# KiCad board Panel_R0.5.1_300x300_2layer_step1.kicad_pcb (continued)
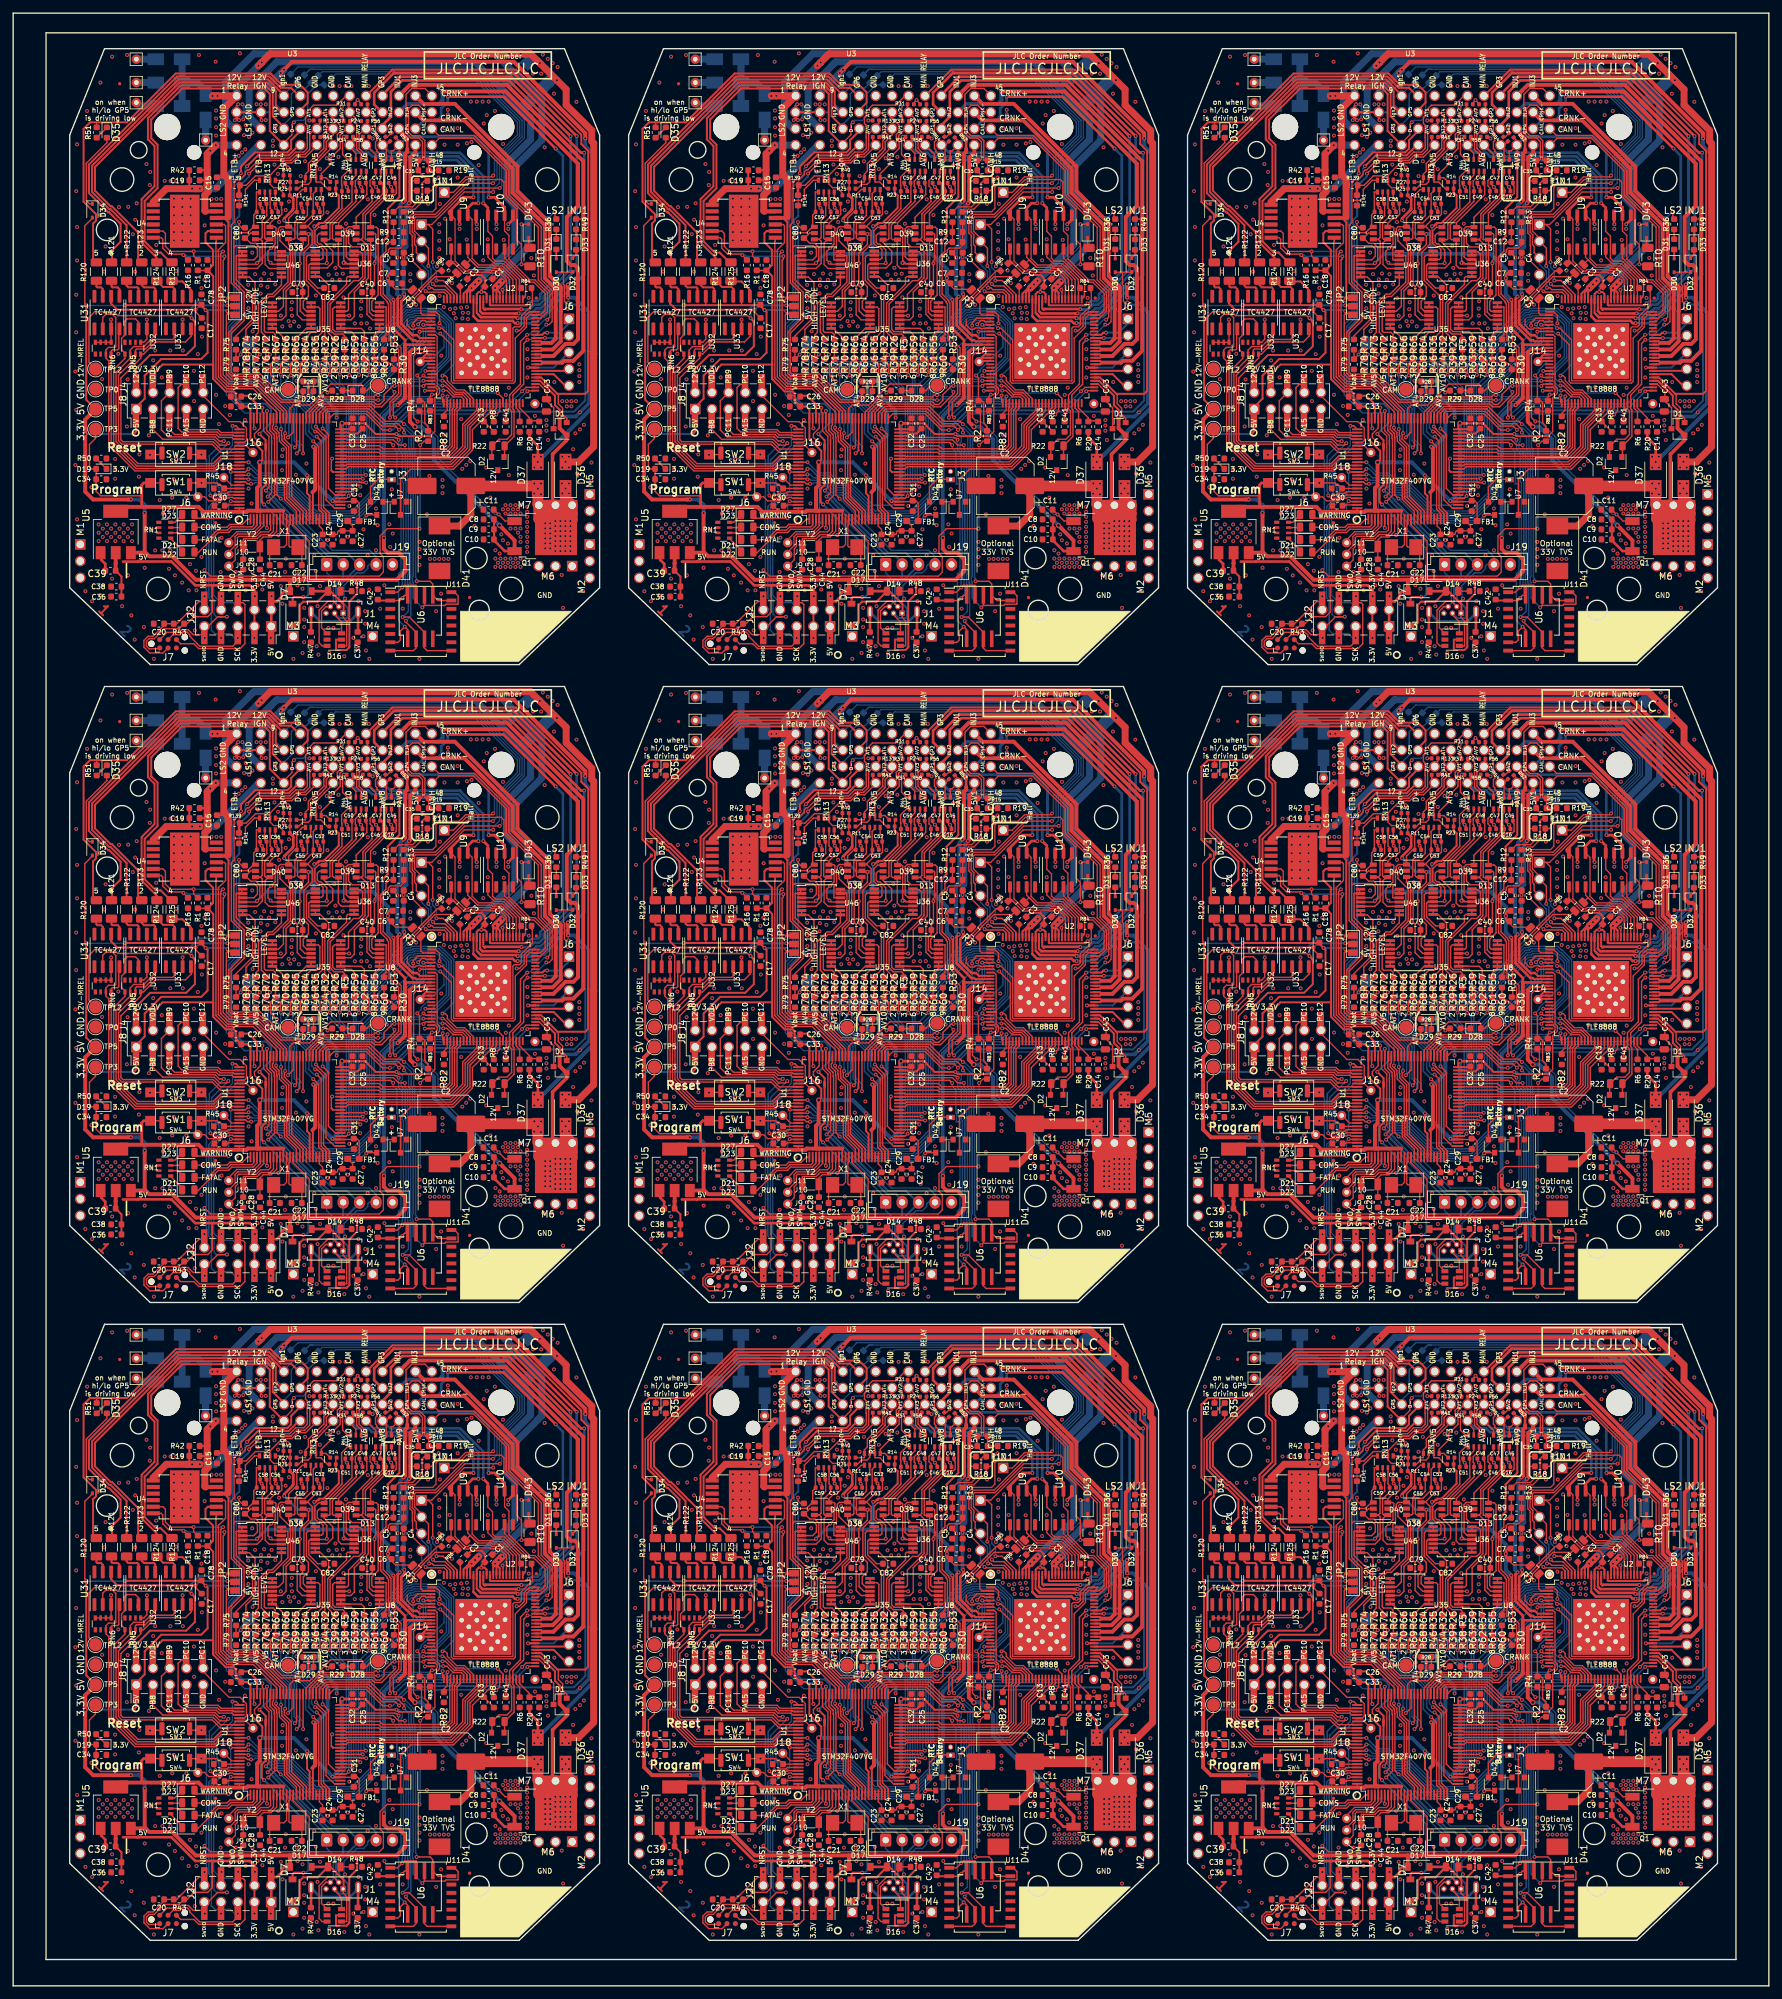
[diagram p0: board, top side]
## Placement (name value [footprint] x y rotation side) (continued)
R74  6.8K  [R_0603_1608Metric]  35.4 249.6 90 top
R74#2  6.8K  [R_0603_1608Metric]  120.4 249.6 90 top
R74#3  6.8K  [R_0603_1608Metric]  205.4 249.6 90 top
R74#4  6.8K  [R_0603_1608Metric]  35.4 152.6 90 top
R74#5  6.8K  [R_0603_1608Metric]  205.4 152.6 90 top
R74#6  6.8K  [R_0603_1608Metric]  120.4 152.6 90 top
R74#7  6.8K  [R_0603_1608Metric]  35.4 55.6 90 top
R74#8  6.8K  [R_0603_1608Metric]  205.4 55.6 90 top
R74#9  6.8K  [R_0603_1608Metric]  120.4 55.6 90 top
R75  6.8K  [R_0603_1608Metric]  33.9 249.6 90 top
R75#2  6.8K  [R_0603_1608Metric]  118.9 249.6 90 top
R75#3  6.8K  [R_0603_1608Metric]  203.9 249.6 90 top
R75#4  6.8K  [R_0603_1608Metric]  33.9 152.6 90 top
R75#5  6.8K  [R_0603_1608Metric]  203.9 152.6 90 top
R75#6  6.8K  [R_0603_1608Metric]  118.9 152.6 90 top
R75#7  6.8K  [R_0603_1608Metric]  203.9 55.6 90 top
R75#8  6.8K  [R_0603_1608Metric]  118.9 55.6 90 top
R75#9  6.8K  [R_0603_1608Metric]  33.9 55.6 90 top
R76  10K  [R_0603_1608Metric]  38.4 246.6 90 top
R76#2  10K  [R_0603_1608Metric]  123.4 246.6 90 top
R76#3  10K  [R_0603_1608Metric]  208.4 246.6 90 top
R76#4  10K  [R_0603_1608Metric]  38.4 149.6 90 top
R76#5  10K  [R_0603_1608Metric]  208.4 149.6 90 top
R76#6  10K  [R_0603_1608Metric]  123.4 149.6 90 top
R76#7  10K  [R_0603_1608Metric]  208.4 52.6 90 top
R76#8  10K  [R_0603_1608Metric]  123.4 52.6 90 top
R76#9  10K  [R_0603_1608Metric]  38.4 52.6 90 top
R77  10K  [R_0603_1608Metric]  36.9 246.6 90 top
R77#2  10K  [R_0603_1608Metric]  121.9 246.6 90 top
R77#3  10K  [R_0603_1608Metric]  206.9 246.6 90 top
R77#4  10K  [R_0603_1608Metric]  36.9 149.6 90 top
R77#5  10K  [R_0603_1608Metric]  206.9 149.6 90 top
R77#6  10K  [R_0603_1608Metric]  121.9 149.6 90 top
R77#7  10K  [R_0603_1608Metric]  206.9 52.6 90 top
R77#8  10K  [R_0603_1608Metric]  121.9 52.6 90 top
R77#9  10K  [R_0603_1608Metric]  36.9 52.6 90 top
R78  10K  [R_0603_1608Metric]  35.4 246.6 90 top
R78#2  10K  [R_0603_1608Metric]  120.4 246.6 90 top
R78#3  10K  [R_0603_1608Metric]  205.4 246.6 90 top
R78#4  10K  [R_0603_1608Metric]  35.4 149.6 90 top
R78#5  10K  [R_0603_1608Metric]  205.4 149.6 90 top
R78#6  10K  [R_0603_1608Metric]  120.4 149.6 90 top
R78#7  10K  [R_0603_1608Metric]  205.4 52.6 90 top
R78#8  10K  [R_0603_1608Metric]  120.4 52.6 90 top
R78#9  10K  [R_0603_1608Metric]  35.4 52.6 90 top
R79  10K  [R_0603_1608Metric]  33.9 246.6 90 top
R79#2  10K  [R_0603_1608Metric]  118.9 246.6 90 top
R79#3  10K  [R_0603_1608Metric]  203.9 246.6 90 top
R79#4  10K  [R_0603_1608Metric]  33.9 149.6 90 top
R79#5  10K  [R_0603_1608Metric]  203.9 149.6 90 top
R79#6  10K  [R_0603_1608Metric]  118.9 149.6 90 top
R79#7  10K  [R_0603_1608Metric]  33.9 52.6 90 top
R79#8  10K  [R_0603_1608Metric]  203.9 52.6 90 top
R79#9  10K  [R_0603_1608Metric]  118.9 52.6 90 top
R80  0R  [R_0603_1608Metric]  45.84 289.94 45 bottom
R80#2  0R  [R_0603_1608Metric]  130.84 289.94 45 bottom
R80#3  0R  [R_0603_1608Metric]  215.84 289.94 45 bottom
R80#4  0R  [R_0603_1608Metric]  45.84 192.94 45 bottom
R80#5  0R  [R_0603_1608Metric]  215.84 192.94 45 bottom
R80#6  0R  [R_0603_1608Metric]  130.84 192.94 45 bottom
R80#7  0R  [R_0603_1608Metric]  45.84 95.94 45 bottom
R80#8  0R  [R_0603_1608Metric]  215.84 95.94 45 bottom
R80#9  0R  [R_0603_1608Metric]  130.84 95.94 45 bottom
R81  0R  [R_0603_1608Metric]  47.84 289.64 45 bottom
R81#2  0R  [R_0603_1608Metric]  132.84 289.64 45 bottom
R81#3  0R  [R_0603_1608Metric]  217.84 289.64 45 bottom
R81#4  0R  [R_0603_1608Metric]  47.84 192.64 45 bottom
R81#5  0R  [R_0603_1608Metric]  217.84 192.64 45 bottom
R81#6  0R  [R_0603_1608Metric]  132.84 192.64 45 bottom
R81#7  0R  [R_0603_1608Metric]  47.84 95.64 45 bottom
R81#8  0R  [R_0603_1608Metric]  217.84 95.64 45 bottom
R81#9  0R  [R_0603_1608Metric]  132.84 95.64 45 bottom
R82  4.7K  [R_0603_1608Metric]  65.5 237.9 270 top
R82#2  4.7K  [R_0603_1608Metric]  150.5 237.9 270 top
R82#3  4.7K  [R_0603_1608Metric]  235.5 237.9 270 top
R82#4  4.7K  [R_0603_1608Metric]  65.5 140.9 270 top
R82#5  4.7K  [R_0603_1608Metric]  235.5 140.9 270 top
R82#6  4.7K  [R_0603_1608Metric]  150.5 140.9 270 top
R82#7  4.7K  [R_0603_1608Metric]  65.5 43.9 270 top
R82#8  4.7K  [R_0603_1608Metric]  235.5 43.9 270 top
R82#9  4.7K  [R_0603_1608Metric]  150.5 43.9 270 top
R83  4.7K  [R_0603_1608Metric]  63.4 240.3 270 top
R83#2  4.7K  [R_0603_1608Metric]  148.4 240.3 270 top
R83#3  4.7K  [R_0603_1608Metric]  233.4 240.3 270 top
R83#4  4.7K  [R_0603_1608Metric]  63.4 143.3 270 top
R83#5  4.7K  [R_0603_1608Metric]  233.4 143.3 270 top
R83#6  4.7K  [R_0603_1608Metric]  148.4 143.3 270 top
R83#7  4.7K  [R_0603_1608Metric]  63.4 46.3 270 top
R83#8  4.7K  [R_0603_1608Metric]  233.4 46.3 270 top
R83#9  4.7K  [R_0603_1608Metric]  148.4 46.3 270 top
R84  0R  [R_0603_1608Metric]  78.04 258.2 0 top
R84#2  0R  [R_0603_1608Metric]  163.04 258.2 0 top
R84#3  0R  [R_0603_1608Metric]  248.04 258.2 0 top
R84#4  0R  [R_0603_1608Metric]  78.04 161.2 0 top
R84#5  0R  [R_0603_1608Metric]  248.04 161.2 0 top
R84#6  0R  [R_0603_1608Metric]  163.04 161.2 0 top
R84#7  0R  [R_0603_1608Metric]  248.04 64.2 0 top
R84#8  0R  [R_0603_1608Metric]  78.04 64.2 0 top
R84#9  0R  [R_0603_1608Metric]  163.04 64.2 0 top
R85  0R  [R_0603_1608Metric]  65.72 261.37 225 top
R85#2  0R  [R_0603_1608Metric]  150.72 261.37 225 top
R85#3  0R  [R_0603_1608Metric]  235.72 261.37 225 top
R85#4  0R  [R_0603_1608Metric]  65.72 164.37 225 top
R85#5  0R  [R_0603_1608Metric]  235.72 164.37 225 top
R85#6  0R  [R_0603_1608Metric]  150.72 164.37 225 top
R85#7  0R  [R_0603_1608Metric]  235.72 67.37 225 top
R85#8  0R  [R_0603_1608Metric]  65.72 67.37 225 top
R85#9  0R  [R_0603_1608Metric]  150.72 67.37 225 top
R86  0R  [R_0805_2012Metric]  153.14 261.12 225 top
R86#2  0R  [R_0805_2012Metric]  238.14 261.12 225 top
R86#3  0R  [R_0805_2012Metric]  68.14 164.12 225 top
R86#4  0R  [R_0805_2012Metric]  238.14 164.12 225 top
R86#5  0R  [R_0805_2012Metric]  153.14 164.12 225 top
R86#6  0R  [R_0805_2012Metric]  238.14 67.12 225 top
R86#7  0R  [R_0805_2012Metric]  68.14 67.12 225 top
R86#8  0R  [R_0805_2012Metric]  153.14 67.12 225 top
R86#9  0R  [R_0805_2012Metric]  68.14 261.12 225 top
R120  100  [R_1206_3216Metric]  12.66 260.7 270 top
R120#2  100  [R_1206_3216Metric]  97.66 260.7 270 top
R120#3  100  [R_1206_3216Metric]  182.66 260.7 270 top
R120#4  100  [R_1206_3216Metric]  182.66 163.7 270 top
R120#5  100  [R_1206_3216Metric]  97.66 163.7 270 top
R120#6  100  [R_1206_3216Metric]  12.66 163.7 270 top
R120#7  100  [R_1206_3216Metric]  182.66 66.7 270 top
R120#8  100  [R_1206_3216Metric]  97.66 66.7 270 top
R120#9  100  [R_1206_3216Metric]  12.66 66.7 270 top
R121  100  [R_1206_3216Metric]  14.96 260.7 270 top
R121#2  100  [R_1206_3216Metric]  99.96 260.7 270 top
R121#3  100  [R_1206_3216Metric]  184.96 260.7 270 top
R121#4  100  [R_1206_3216Metric]  184.96 163.7 270 top
R121#5  100  [R_1206_3216Metric]  99.96 163.7 270 top
R121#6  100  [R_1206_3216Metric]  14.96 163.7 270 top
R121#7  100  [R_1206_3216Metric]  184.96 66.7 270 top
R121#8  100  [R_1206_3216Metric]  99.96 66.7 270 top
R121#9  100  [R_1206_3216Metric]  14.96 66.7 270 top
R122  100  [R_1206_3216Metric]  17.26 260.7 270 top
R122#2  100  [R_1206_3216Metric]  102.26 260.7 270 top
R122#3  100  [R_1206_3216Metric]  187.26 260.7 270 top
R122#4  100  [R_1206_3216Metric]  187.26 163.7 270 top
R122#5  100  [R_1206_3216Metric]  102.26 163.7 270 top
R122#6  100  [R_1206_3216Metric]  17.26 163.7 270 top
R122#7  100  [R_1206_3216Metric]  187.26 66.7 270 top
R122#8  100  [R_1206_3216Metric]  102.26 66.7 270 top
R122#9  100  [R_1206_3216Metric]  17.26 66.7 270 top
R123  100  [R_1206_3216Metric]  19.56 260.7 270 top
R123#2  100  [R_1206_3216Metric]  104.56 260.7 270 top
R123#3  100  [R_1206_3216Metric]  189.56 260.7 270 top
R123#4  100  [R_1206_3216Metric]  189.56 163.7 270 top
R123#5  100  [R_1206_3216Metric]  104.56 163.7 270 top
R123#6  100  [R_1206_3216Metric]  19.56 163.7 270 top
R123#7  100  [R_1206_3216Metric]  189.56 66.7 270 top
R123#8  100  [R_1206_3216Metric]  104.56 66.7 270 top
R123#9  100  [R_1206_3216Metric]  19.56 66.7 270 top
R124  100  [R_1206_3216Metric]  21.86 260.7 270 top
R124#2  100  [R_1206_3216Metric]  106.86 260.7 270 top
R124#3  100  [R_1206_3216Metric]  191.86 260.7 270 top
R124#4  100  [R_1206_3216Metric]  191.86 163.7 270 top
R124#5  100  [R_1206_3216Metric]  106.86 163.7 270 top
R124#6  100  [R_1206_3216Metric]  21.86 163.7 270 top
R124#7  100  [R_1206_3216Metric]  191.86 66.7 270 top
R124#8  100  [R_1206_3216Metric]  106.86 66.7 270 top
R124#9  100  [R_1206_3216Metric]  21.86 66.7 270 top
R125  100  [R_1206_3216Metric]  24.16 260.7 270 top
R125#2  100  [R_1206_3216Metric]  109.16 260.7 270 top
R125#3  100  [R_1206_3216Metric]  194.16 260.7 270 top
R125#4  100  [R_1206_3216Metric]  194.16 163.7 270 top
R125#5  100  [R_1206_3216Metric]  109.16 163.7 270 top
R125#6  100  [R_1206_3216Metric]  24.16 163.7 270 top
R125#7  100  [R_1206_3216Metric]  194.16 66.7 270 top
R125#8  100  [R_1206_3216Metric]  109.16 66.7 270 top
R125#9  100  [R_1206_3216Metric]  24.16 66.7 270 top
R131  470K  [R_0402_1005Metric]  46.19 283.68 180 top
R131#2  470K  [R_0402_1005Metric]  131.19 283.68 180 top
R131#3  470K  [R_0402_1005Metric]  216.19 283.68 180 top
R131#4  470K  [R_0402_1005Metric]  46.19 186.68 180 top
R131#5  470K  [R_0402_1005Metric]  216.19 186.68 180 top
R131#6  470K  [R_0402_1005Metric]  131.19 186.68 180 top
R131#7  470K  [R_0402_1005Metric]  46.19 89.68 180 top
R131#8  470K  [R_0402_1005Metric]  216.19 89.68 180 top
R131#9  470K  [R_0402_1005Metric]  131.19 89.68 180 top
R139  39k  [R_0603_1608Metric]  33.69 273.82 180 top
R139#2  39k  [R_0603_1608Metric]  118.69 273.82 180 top
R139#3  39k  [R_0603_1608Metric]  203.69 273.82 180 top
R139#4  39k  [R_0603_1608Metric]  33.69 176.82 180 top
R139#5  39k  [R_0603_1608Metric]  203.69 176.82 180 top
R139#6  39k  [R_0603_1608Metric]  118.69 176.82 180 top
R139#7  39k  [R_0603_1608Metric]  33.69 79.82 180 top
R139#8  39k  [R_0603_1608Metric]  203.69 79.82 180 top
R139#9  39k  [R_0603_1608Metric]  118.69 79.82 180 top
R141  10K  [R_0603_1608Metric]  34.36 271.53 270 top
R141#2  10K  [R_0603_1608Metric]  119.35 271.53 270 top
R141#3  10K  [R_0603_1608Metric]  204.35 271.53 270 top
R141#4  10K  [R_0603_1608Metric]  34.36 174.53 270 top
R141#5  10K  [R_0603_1608Metric]  204.35 174.53 270 top
R141#6  10K  [R_0603_1608Metric]  119.35 174.53 270 top
R141#7  10K  [R_0603_1608Metric]  204.35 77.53 270 top
R141#8  10K  [R_0603_1608Metric]  34.36 77.53 270 top
R141#9  10K  [R_0603_1608Metric]  119.35 77.53 270 top
RN1  1k  [R_Array_Convex_4x0603]  23.06 221.37 180 top
RN1#2  1k  [R_Array_Convex_4x0603]  108.06 221.37 180 top
RN1#3  1k  [R_Array_Convex_4x0603]  193.06 221.37 180 top
RN1#4  1k  [R_Array_Convex_4x0603]  108.06 124.37 180 top
RN1#5  1k  [R_Array_Convex_4x0603]  193.06 124.37 180 top
RN1#6  1k  [R_Array_Convex_4x0603]  23.06 124.37 180 top
RN1#7  1k  [R_Array_Convex_4x0603]  193.06 27.37 180 top
RN1#8  1k  [R_Array_Convex_4x0603]  108.06 27.37 180 top
RN1#9  1k  [R_Array_Convex_4x0603]  23.06 27.37 180 top
RN2  10k  [R_Array_Convex_4x0603]  56.33 276.87 270 top
RN2#2  10k  [R_Array_Convex_4x0603]  141.33 276.87 270 top
RN2#3  10k  [R_Array_Convex_4x0603]  226.33 276.87 270 top
RN2#4  10k  [R_Array_Convex_4x0603]  56.33 179.87 270 top
RN2#5  10k  [R_Array_Convex_4x0603]  226.33 179.87 270 top
RN2#6  10k  [R_Array_Convex_4x0603]  141.33 179.87 270 top
RN2#7  10k  [R_Array_Convex_4x0603]  56.33 82.87 270 top
RN2#8  10k  [R_Array_Convex_4x0603]  226.33 82.87 270 top
RN2#9  10k  [R_Array_Convex_4x0603]  141.33 82.87 270 top
RN3  10k  [R_Array_Convex_4x0603]  45.66 274.07 270 top
RN3#2  10k  [R_Array_Convex_4x0603]  130.66 274.07 270 top
RN3#3  10k  [R_Array_Convex_4x0603]  215.66 274.07 270 top
RN3#4  10k  [R_Array_Convex_4x0603]  130.66 177.07 270 top
RN3#5  10k  [R_Array_Convex_4x0603]  215.66 177.07 270 top
RN3#6  10k  [R_Array_Convex_4x0603]  45.66 177.07 270 top
RN3#7  10k  [R_Array_Convex_4x0603]  215.66 80.07 270 top
RN3#8  10k  [R_Array_Convex_4x0603]  130.66 80.07 270 top
RN3#9  10k  [R_Array_Convex_4x0603]  45.66 80.07 270 top
RN4  10k  [R_Array_Convex_4x0603]  52.52 276.87 270 top
RN4#2  10k  [R_Array_Convex_4x0603]  137.52 276.87 270 top
RN4#3  10k  [R_Array_Convex_4x0603]  222.52 276.87 270 top
RN4#4  10k  [R_Array_Convex_4x0603]  52.52 179.87 270 top
RN4#5  10k  [R_Array_Convex_4x0603]  222.52 179.87 270 top
RN4#6  10k  [R_Array_Convex_4x0603]  137.52 179.87 270 top
RN4#7  10k  [R_Array_Convex_4x0603]  52.52 82.87 270 top
RN4#8  10k  [R_Array_Convex_4x0603]  222.52 82.87 270 top
RN4#9  10k  [R_Array_Convex_4x0603]  137.52 82.87 270 top
RN5  10k  [R_Array_Convex_4x0603]  18.2 249.05 270 top
RN5#2  10k  [R_Array_Convex_4x0603]  103.2 249.05 270 top
RN5#3  10k  [R_Array_Convex_4x0603]  188.2 249.05 270 top
RN5#4  10k  [R_Array_Convex_4x0603]  188.2 152.05 270 top
RN5#5  10k  [R_Array_Convex_4x0603]  103.2 152.05 270 top
RN5#6  10k  [R_Array_Convex_4x0603]  18.2 152.05 270 top
RN5#7  10k  [R_Array_Convex_4x0603]  188.2 55.05 270 top
RN5#8  10k  [R_Array_Convex_4x0603]  103.2 55.05 270 top
RN5#9  10k  [R_Array_Convex_4x0603]  18.2 55.05 270 top
RN6  10k  [R_Array_Convex_4x0603]  13.7 249.05 270 top
RN6#2  10k  [R_Array_Convex_4x0603]  98.7 249.05 270 top
RN6#3  10k  [R_Array_Convex_4x0603]  183.7 249.05 270 top
RN6#4  10k  [R_Array_Convex_4x0603]  183.7 152.05 270 top
RN6#5  10k  [R_Array_Convex_4x0603]  98.7 152.05 270 top
RN6#6  10k  [R_Array_Convex_4x0603]  13.7 152.05 270 top
RN6#7  10k  [R_Array_Convex_4x0603]  183.7 55.05 270 top
RN6#8  10k  [R_Array_Convex_4x0603]  13.7 55.05 270 top
RN6#9  10k  [R_Array_Convex_4x0603]  98.7 55.05 270 top
RN13  10k  [R_Array_Convex_4x0603]  38.67 273.69 270 top
RN13#2  10k  [R_Array_Convex_4x0603]  123.67 273.69 270 top
RN13#3  10k  [R_Array_Convex_4x0603]  208.67 273.69 270 top
RN13#4  10k  [R_Array_Convex_4x0603]  123.67 176.69 270 top
RN13#5  10k  [R_Array_Convex_4x0603]  208.67 176.69 270 top
RN13#6  10k  [R_Array_Convex_4x0603]  38.67 176.69 270 top
RN13#7  10k  [R_Array_Convex_4x0603]  208.67 79.69 270 top
RN13#8  10k  [R_Array_Convex_4x0603]  123.67 79.69 270 top
RN13#9  10k  [R_Array_Convex_4x0603]  38.67 79.69 270 top
SW1  SW_Push  [SW_SPST_CK_RS282G05A3]  24.73 228.56 0 top
SW1#2  SW_Push  [SW_SPST_CK_RS282G05A3]  109.73 228.56 0 top
SW1#3  SW_Push  [SW_SPST_CK_RS282G05A3]  194.73 228.56 0 top
SW1#4  SW_Push  [SW_SPST_CK_RS282G05A3]  24.73 131.56 0 top
SW1#5  SW_Push  [SW_SPST_CK_RS282G05A3]  194.73 131.56 0 top
SW1#6  SW_Push  [SW_SPST_CK_RS282G05A3]  109.73 131.56 0 top
SW1#7  SW_Push  [SW_SPST_CK_RS282G05A3]  24.73 34.56 0 top
SW1#8  SW_Push  [SW_SPST_CK_RS282G05A3]  194.73 34.56 0 top
SW1#9  SW_Push  [SW_SPST_CK_RS282G05A3]  109.73 34.56 0 top
SW2  SW_Push  [SW_SPST_CK_RS282G05A3]  24.73 232.88 180 top
SW2#2  SW_Push  [SW_SPST_CK_RS282G05A3]  109.73 232.88 180 top
SW2#3  SW_Push  [SW_SPST_CK_RS282G05A3]  194.73 232.88 180 top
SW2#4  SW_Push  [SW_SPST_CK_RS282G05A3]  24.73 135.88 180 top
SW2#5  SW_Push  [SW_SPST_CK_RS282G05A3]  194.73 135.88 180 top
SW2#6  SW_Push  [SW_SPST_CK_RS282G05A3]  109.73 135.88 180 top
SW2#7  SW_Push  [SW_SPST_CK_RS282G05A3]  24.73 38.88 180 top
SW2#8  SW_Push  [SW_SPST_CK_RS282G05A3]  194.73 38.88 180 top
SW2#9  SW_Push  [SW_SPST_CK_RS282G05A3]  109.73 38.88 180 top
SW3  SW_Push  [SW_Push_SPST_NO_Alps_SKRK]  24.73 233.1 180 top
SW3#2  SW_Push  [SW_Push_SPST_NO_Alps_SKRK]  109.73 233.1 180 top
SW3#3  SW_Push  [SW_Push_SPST_NO_Alps_SKRK]  194.73 233.1 180 top
SW3#4  SW_Push  [SW_Push_SPST_NO_Alps_SKRK]  24.73 136.1 180 top
SW3#5  SW_Push  [SW_Push_SPST_NO_Alps_SKRK]  194.73 136.1 180 top
SW3#6  SW_Push  [SW_Push_SPST_NO_Alps_SKRK]  109.73 136.1 180 top
SW3#7  SW_Push  [SW_Push_SPST_NO_Alps_SKRK]  24.73 39.1 180 top
SW3#8  SW_Push  [SW_Push_SPST_NO_Alps_SKRK]  194.73 39.1 180 top
SW3#9  SW_Push  [SW_Push_SPST_NO_Alps_SKRK]  109.73 39.1 180 top
SW4  SW_Push  [SW_Push_SPST_NO_Alps_SKRK]  24.73 228.3 0 top
SW4#2  SW_Push  [SW_Push_SPST_NO_Alps_SKRK]  109.73 228.3 0 top
SW4#3  SW_Push  [SW_Push_SPST_NO_Alps_SKRK]  194.73 228.3 0 top
SW4#4  SW_Push  [SW_Push_SPST_NO_Alps_SKRK]  24.73 131.3 0 top
SW4#5  SW_Push  [SW_Push_SPST_NO_Alps_SKRK]  194.73 131.3 0 top
SW4#6  SW_Push  [SW_Push_SPST_NO_Alps_SKRK]  109.73 131.3 0 top
SW4#7  SW_Push  [SW_Push_SPST_NO_Alps_SKRK]  24.73 34.3 0 top
SW4#8  SW_Push  [SW_Push_SPST_NO_Alps_SKRK]  194.73 34.3 0 top
SW4#9  SW_Push  [SW_Push_SPST_NO_Alps_SKRK]  109.73 34.3 0 top
TP0  GND  [TestPoint_Pad_D2.0mm]  12.54 242.83 0 top
TP0#2  GND  [TestPoint_Pad_D2.0mm]  97.54 242.83 0 top
TP0#3  GND  [TestPoint_Pad_D2.0mm]  182.54 242.83 0 top
TP0#4  GND  [TestPoint_Pad_D2.0mm]  12.54 145.83 0 top
TP0#5  GND  [TestPoint_Pad_D2.0mm]  182.54 145.83 0 top
TP0#6  GND  [TestPoint_Pad_D2.0mm]  97.54 145.83 0 top
TP0#7  GND  [TestPoint_Pad_D2.0mm]  12.54 48.83 0 top
TP0#8  GND  [TestPoint_Pad_D2.0mm]  182.54 48.83 0 top
TP0#9  GND  [TestPoint_Pad_D2.0mm]  97.54 48.83 0 top
TP1  TP  [TestPoint_Pad_D2.0mm]  35.88 249.82 0 bottom
TP1#2  TP  [TestPoint_Pad_D2.0mm]  120.88 249.82 0 bottom
TP1#3  TP  [TestPoint_Pad_D2.0mm]  205.88 249.82 0 bottom
TP1#4  TP  [TestPoint_Pad_D2.0mm]  35.88 152.82 0 bottom
TP1#5  TP  [TestPoint_Pad_D2.0mm]  205.88 152.82 0 bottom
TP1#6  TP  [TestPoint_Pad_D2.0mm]  120.88 152.82 0 bottom
TP1#7  TP  [TestPoint_Pad_D2.0mm]  35.88 55.82 0 bottom
TP1#8  TP  [TestPoint_Pad_D2.0mm]  205.88 55.82 0 bottom
TP1#9  TP  [TestPoint_Pad_D2.0mm]  120.88 55.82 0 bottom
TP2  TP  [TestPoint_Pad_D2.0mm]  41.82 242.78 0 top
TP2#2  TP  [TestPoint_Pad_D2.0mm]  126.82 242.78 0 top
TP2#3  TP  [TestPoint_Pad_D2.0mm]  211.82 242.78 0 top
TP2#4  TP  [TestPoint_Pad_D2.0mm]  126.82 145.78 0 top
TP2#5  TP  [TestPoint_Pad_D2.0mm]  211.82 145.78 0 top
TP2#6  TP  [TestPoint_Pad_D2.0mm]  41.82 145.78 0 top
TP2#7  TP  [TestPoint_Pad_D2.0mm]  211.82 48.78 0 top
TP2#8  TP  [TestPoint_Pad_D2.0mm]  126.82 48.78 0 top
TP2#9  TP  [TestPoint_Pad_D2.0mm]  41.82 48.78 0 top
TP3  GND  [TestPoint_Pad_D2.0mm]  12.54 236.74 0 top
TP3#2  GND  [TestPoint_Pad_D2.0mm]  97.54 236.74 0 top
TP3#3  GND  [TestPoint_Pad_D2.0mm]  182.54 236.74 0 top
TP3#4  GND  [TestPoint_Pad_D2.0mm]  12.54 139.74 0 top
TP3#5  GND  [TestPoint_Pad_D2.0mm]  182.54 139.74 0 top
TP3#6  GND  [TestPoint_Pad_D2.0mm]  97.54 139.74 0 top
TP3#7  GND  [TestPoint_Pad_D2.0mm]  12.54 42.74 0 top
TP3#8  GND  [TestPoint_Pad_D2.0mm]  182.54 42.74 0 top
TP3#9  GND  [TestPoint_Pad_D2.0mm]  97.54 42.74 0 top
TP4  TP  [TestPoint_Pad_D2.0mm]  55.5 243.4 0 top
TP4#2  TP  [TestPoint_Pad_D2.0mm]  140.5 243.4 0 top
TP4#3  TP  [TestPoint_Pad_D2.0mm]  225.5 243.4 0 top
TP4#4  TP  [TestPoint_Pad_D2.0mm]  140.5 146.4 0 top
TP4#5  TP  [TestPoint_Pad_D2.0mm]  225.5 146.4 0 top
TP4#6  TP  [TestPoint_Pad_D2.0mm]  55.5 146.4 0 top
TP4#7  TP  [TestPoint_Pad_D2.0mm]  225.5 49.4 0 top
TP4#8  TP  [TestPoint_Pad_D2.0mm]  140.5 49.4 0 top
TP4#9  TP  [TestPoint_Pad_D2.0mm]  55.5 49.4 0 top
TP5  5V  [TestPoint_Pad_D2.0mm]  12.54 239.78 0 top
TP5#2  5V  [TestPoint_Pad_D2.0mm]  97.54 239.78 0 top
TP5#3  5V  [TestPoint_Pad_D2.0mm]  182.54 239.78 0 top
TP5#4  5V  [TestPoint_Pad_D2.0mm]  12.54 142.78 0 top
TP5#5  5V  [TestPoint_Pad_D2.0mm]  182.54 142.78 0 top
TP5#6  5V  [TestPoint_Pad_D2.0mm]  97.54 142.78 0 top
TP5#7  5V  [TestPoint_Pad_D2.0mm]  12.54 45.78 0 top
TP5#8  5V  [TestPoint_Pad_D2.0mm]  182.54 45.78 0 top
TP5#9  5V  [TestPoint_Pad_D2.0mm]  97.54 45.78 0 top
TP12  5V  [TestPoint_Pad_D2.0mm]  12.54 245.88 0 top
TP12#2  5V  [TestPoint_Pad_D2.0mm]  97.54 245.88 0 top
TP12#3  5V  [TestPoint_Pad_D2.0mm]  182.54 245.88 0 top
TP12#4  5V  [TestPoint_Pad_D2.0mm]  12.54 148.88 0 top
TP12#5  5V  [TestPoint_Pad_D2.0mm]  182.54 148.88 0 top
TP12#6  5V  [TestPoint_Pad_D2.0mm]  97.54 148.88 0 top
TP12#7  5V  [TestPoint_Pad_D2.0mm]  12.54 51.88 0 top
TP12#8  5V  [TestPoint_Pad_D2.0mm]  182.54 51.88 0 top
TP12#9  5V  [TestPoint_Pad_D2.0mm]  97.54 51.88 0 top
U1  STM32F407VGT6  [LQFP-100_14x14mm_P0.5mm]  42.09 230.72 90 top
U1#2  STM32F407VGT6  [LQFP-100_14x14mm_P0.5mm]  127.09 230.72 90 top
U1#3  STM32F407VGT6  [LQFP-100_14x14mm_P0.5mm]  212.09 230.72 90 top
U1#4  STM32F407VGT6  [LQFP-100_14x14mm_P0.5mm]  42.09 133.72 90 top
U1#5  STM32F407VGT6  [LQFP-100_14x14mm_P0.5mm]  212.09 133.72 90 top
U1#6  STM32F407VGT6  [LQFP-100_14x14mm_P0.5mm]  127.09 133.72 90 top
U1#7  STM32F407VGT6  [LQFP-100_14x14mm_P0.5mm]  42.09 36.72 90 top
U1#8  STM32F407VGT6  [LQFP-100_14x14mm_P0.5mm]  212.09 36.72 90 top
U1#9  STM32F407VGT6  [LQFP-100_14x14mm_P0.5mm]  127.09 36.72 90 top
U2  TLE8888QK  [LQFP-100_14x14mm_P0.5mm_THERMAL]  71.5 248.6 0 top
U2#2  TLE8888QK  [LQFP-100_14x14mm_P0.5mm_THERMAL]  156.5 248.6 0 top
U2#3  TLE8888QK  [LQFP-100_14x14mm_P0.5mm_THERMAL]  241.5 248.6 0 top
U2#4  TLE8888QK  [LQFP-100_14x14mm_P0.5mm_THERMAL]  71.5 151.6 0 top
U2#5  TLE8888QK  [LQFP-100_14x14mm_P0.5mm_THERMAL]  241.5 151.6 0 top
U2#6  TLE8888QK  [LQFP-100_14x14mm_P0.5mm_THERMAL]  156.5 151.6 0 top
U2#7  TLE8888QK  [LQFP-100_14x14mm_P0.5mm_THERMAL]  71.5 54.6 0 top
U2#8  TLE8888QK  [LQFP-100_14x14mm_P0.5mm_THERMAL]  241.5 54.6 0 top
U2#9  TLE8888QK  [LQFP-100_14x14mm_P0.5mm_THERMAL]  156.5 54.6 0 top
U3  molex_48pin_MRE  [Molex_48_MRE]  33.93 287.43 0 top
U3#2  molex_48pin_MRE  [Molex_48_MRE]  118.93 287.43 0 top
U3#3  molex_48pin_MRE  [Molex_48_MRE]  203.93 287.43 0 top
U3#4  molex_48pin_MRE  [Molex_48_MRE]  33.93 190.43 0 top
U3#5  molex_48pin_MRE  [Molex_48_MRE]  203.93 190.43 0 top
U3#6  molex_48pin_MRE  [Molex_48_MRE]  118.93 190.43 0 top
U3#7  molex_48pin_MRE  [Molex_48_MRE]  203.93 93.43 0 top
U3#8  molex_48pin_MRE  [Molex_48_MRE]  33.93 93.43 0 top
U3#9  molex_48pin_MRE  [Molex_48_MRE]  118.93 93.43 0 top
U4  TLE9201SG  [Infineon_PG-DSO-12-11]  26.1 268.36 180 top
U4#2  TLE9201SG  [Infineon_PG-DSO-12-11]  111.1 268.36 180 top
U4#3  TLE9201SG  [Infineon_PG-DSO-12-11]  196.1 268.36 180 top
U4#4  TLE9201SG  [Infineon_PG-DSO-12-11]  111.1 171.36 180 top
U4#5  TLE9201SG  [Infineon_PG-DSO-12-11]  196.1 171.36 180 top
U4#6  TLE9201SG  [Infineon_PG-DSO-12-11]  26.1 171.36 180 top
U4#7  TLE9201SG  [Infineon_PG-DSO-12-11]  196.1 74.36 180 top
U4#8  TLE9201SG  [Infineon_PG-DSO-12-11]  111.1 74.36 180 top
U4#9  TLE9201SG  [Infineon_PG-DSO-12-11]  26.1 74.36 180 top
U5  LM1117-3.3  [SOT-223-3_TabPin2]  15.6 221.1 90 top
U5#2  LM1117-3.3  [SOT-223-3_TabPin2]  100.6 221.1 90 top
U5#3  LM1117-3.3  [SOT-223-3_TabPin2]  185.6 221.1 90 top
U5#4  LM1117-3.3  [SOT-223-3_TabPin2]  185.6 124.1 90 top
U5#5  LM1117-3.3  [SOT-223-3_TabPin2]  100.6 124.1 90 top
U5#6  LM1117-3.3  [SOT-223-3_TabPin2]  15.6 124.1 90 top
U5#7  LM1117-3.3  [SOT-223-3_TabPin2]  185.6 27.1 90 top
U5#8  LM1117-3.3  [SOT-223-3_TabPin2]  100.6 27.1 90 top
U5#9  LM1117-3.3  [SOT-223-3_TabPin2]  15.6 27.1 90 top
U6  W25Q128JVSIQ  [SO-8_5.3x6.2mm_P1.27mm-150+208]  61.91 208.16 90 top
U6#2  W25Q128JVSIQ  [SO-8_5.3x6.2mm_P1.27mm-150+208]  146.91 208.16 90 top
U6#3  W25Q128JVSIQ  [SO-8_5.3x6.2mm_P1.27mm-150+208]  231.91 208.16 90 top
U6#4  W25Q128JVSIQ  [SO-8_5.3x6.2mm_P1.27mm-150+208]  61.91 111.16 90 top
U6#5  W25Q128JVSIQ  [SO-8_5.3x6.2mm_P1.27mm-150+208]  231.91 111.16 90 top
U6#6  W25Q128JVSIQ  [SO-8_5.3x6.2mm_P1.27mm-150+208]  146.91 111.16 90 top
U6#7  W25Q128JVSIQ  [SO-8_5.3x6.2mm_P1.27mm-150+208]  61.91 14.16 90 top
U6#8  W25Q128JVSIQ  [SO-8_5.3x6.2mm_P1.27mm-150+208]  231.91 14.16 90 top
U6#9  W25Q128JVSIQ  [SO-8_5.3x6.2mm_P1.27mm-150+208]  146.91 14.16 90 top
U7  XC6206 3.3V  [SOT-23]  58.9 224.7 270 top
U7#2  XC6206 3.3V  [SOT-23]  143.9 224.7 270 top
U7#3  XC6206 3.3V  [SOT-23]  228.9 224.7 270 top
U7#4  XC6206 3.3V  [SOT-23]  58.9 127.7 270 top
U7#5  XC6206 3.3V  [SOT-23]  228.9 127.7 270 top
U7#6  XC6206 3.3V  [SOT-23]  143.9 127.7 270 top
U7#7  XC6206 3.3V  [SOT-23]  58.9 30.7 270 top
U7#8  XC6206 3.3V  [SOT-23]  228.9 30.7 270 top
U7#9  XC6206 3.3V  [SOT-23]  143.9 30.7 270 top
U8  MCP6004  [TSSOP-14_4.4x5mm_P0.65mm]  52.77 254.01 180 top
U8#2  MCP6004  [TSSOP-14_4.4x5mm_P0.65mm]  137.77 254.01 180 top
U8#3  MCP6004  [TSSOP-14_4.4x5mm_P0.65mm]  222.77 254.01 180 top
U8#4  MCP6004  [TSSOP-14_4.4x5mm_P0.65mm]  222.77 157.01 180 top
U8#5  MCP6004  [TSSOP-14_4.4x5mm_P0.65mm]  137.77 157.01 180 top
U8#6  MCP6004  [TSSOP-14_4.4x5mm_P0.65mm]  52.77 157.01 180 top
U8#7  MCP6004  [TSSOP-14_4.4x5mm_P0.65mm]  222.77 60.01 180 top
U8#8  MCP6004  [TSSOP-14_4.4x5mm_P0.65mm]  137.77 60.01 180 top
U8#9  MCP6004  [TSSOP-14_4.4x5mm_P0.65mm]  52.77 60.01 180 top
U9  VNLD5090  [SO-8_3.9x4.9mm_P1.27mm]  68.5 266.7 90 top
U9#2  VNLD5090  [SO-8_3.9x4.9mm_P1.27mm]  153.5 266.7 90 top
U9#3  VNLD5090  [SO-8_3.9x4.9mm_P1.27mm]  238.5 266.7 90 top
U9#4  VNLD5090  [SO-8_3.9x4.9mm_P1.27mm]  68.5 169.7 90 top
U9#5  VNLD5090  [SO-8_3.9x4.9mm_P1.27mm]  238.5 169.7 90 top
U9#6  VNLD5090  [SO-8_3.9x4.9mm_P1.27mm]  153.5 169.7 90 top
U9#7  VNLD5090  [SO-8_3.9x4.9mm_P1.27mm]  68.5 72.7 90 top
U9#8  VNLD5090  [SO-8_3.9x4.9mm_P1.27mm]  238.5 72.7 90 top